# Altium PCB Acquisition-System_V1.0.PcbDoc (part 4 of 5)
Units mil, origin at the board's own origin, x right, y up, seen from the top; angles counter-clockwise.
Board outline 4370.08 x 5629.92 mil, 4 copper layers (Top Layer, Mid-Layer 1, Mid-Layer 2, Bottom Layer), stack 62.135 mil thick; 241 components, 167 nets, 1010 pads, 677 vias.
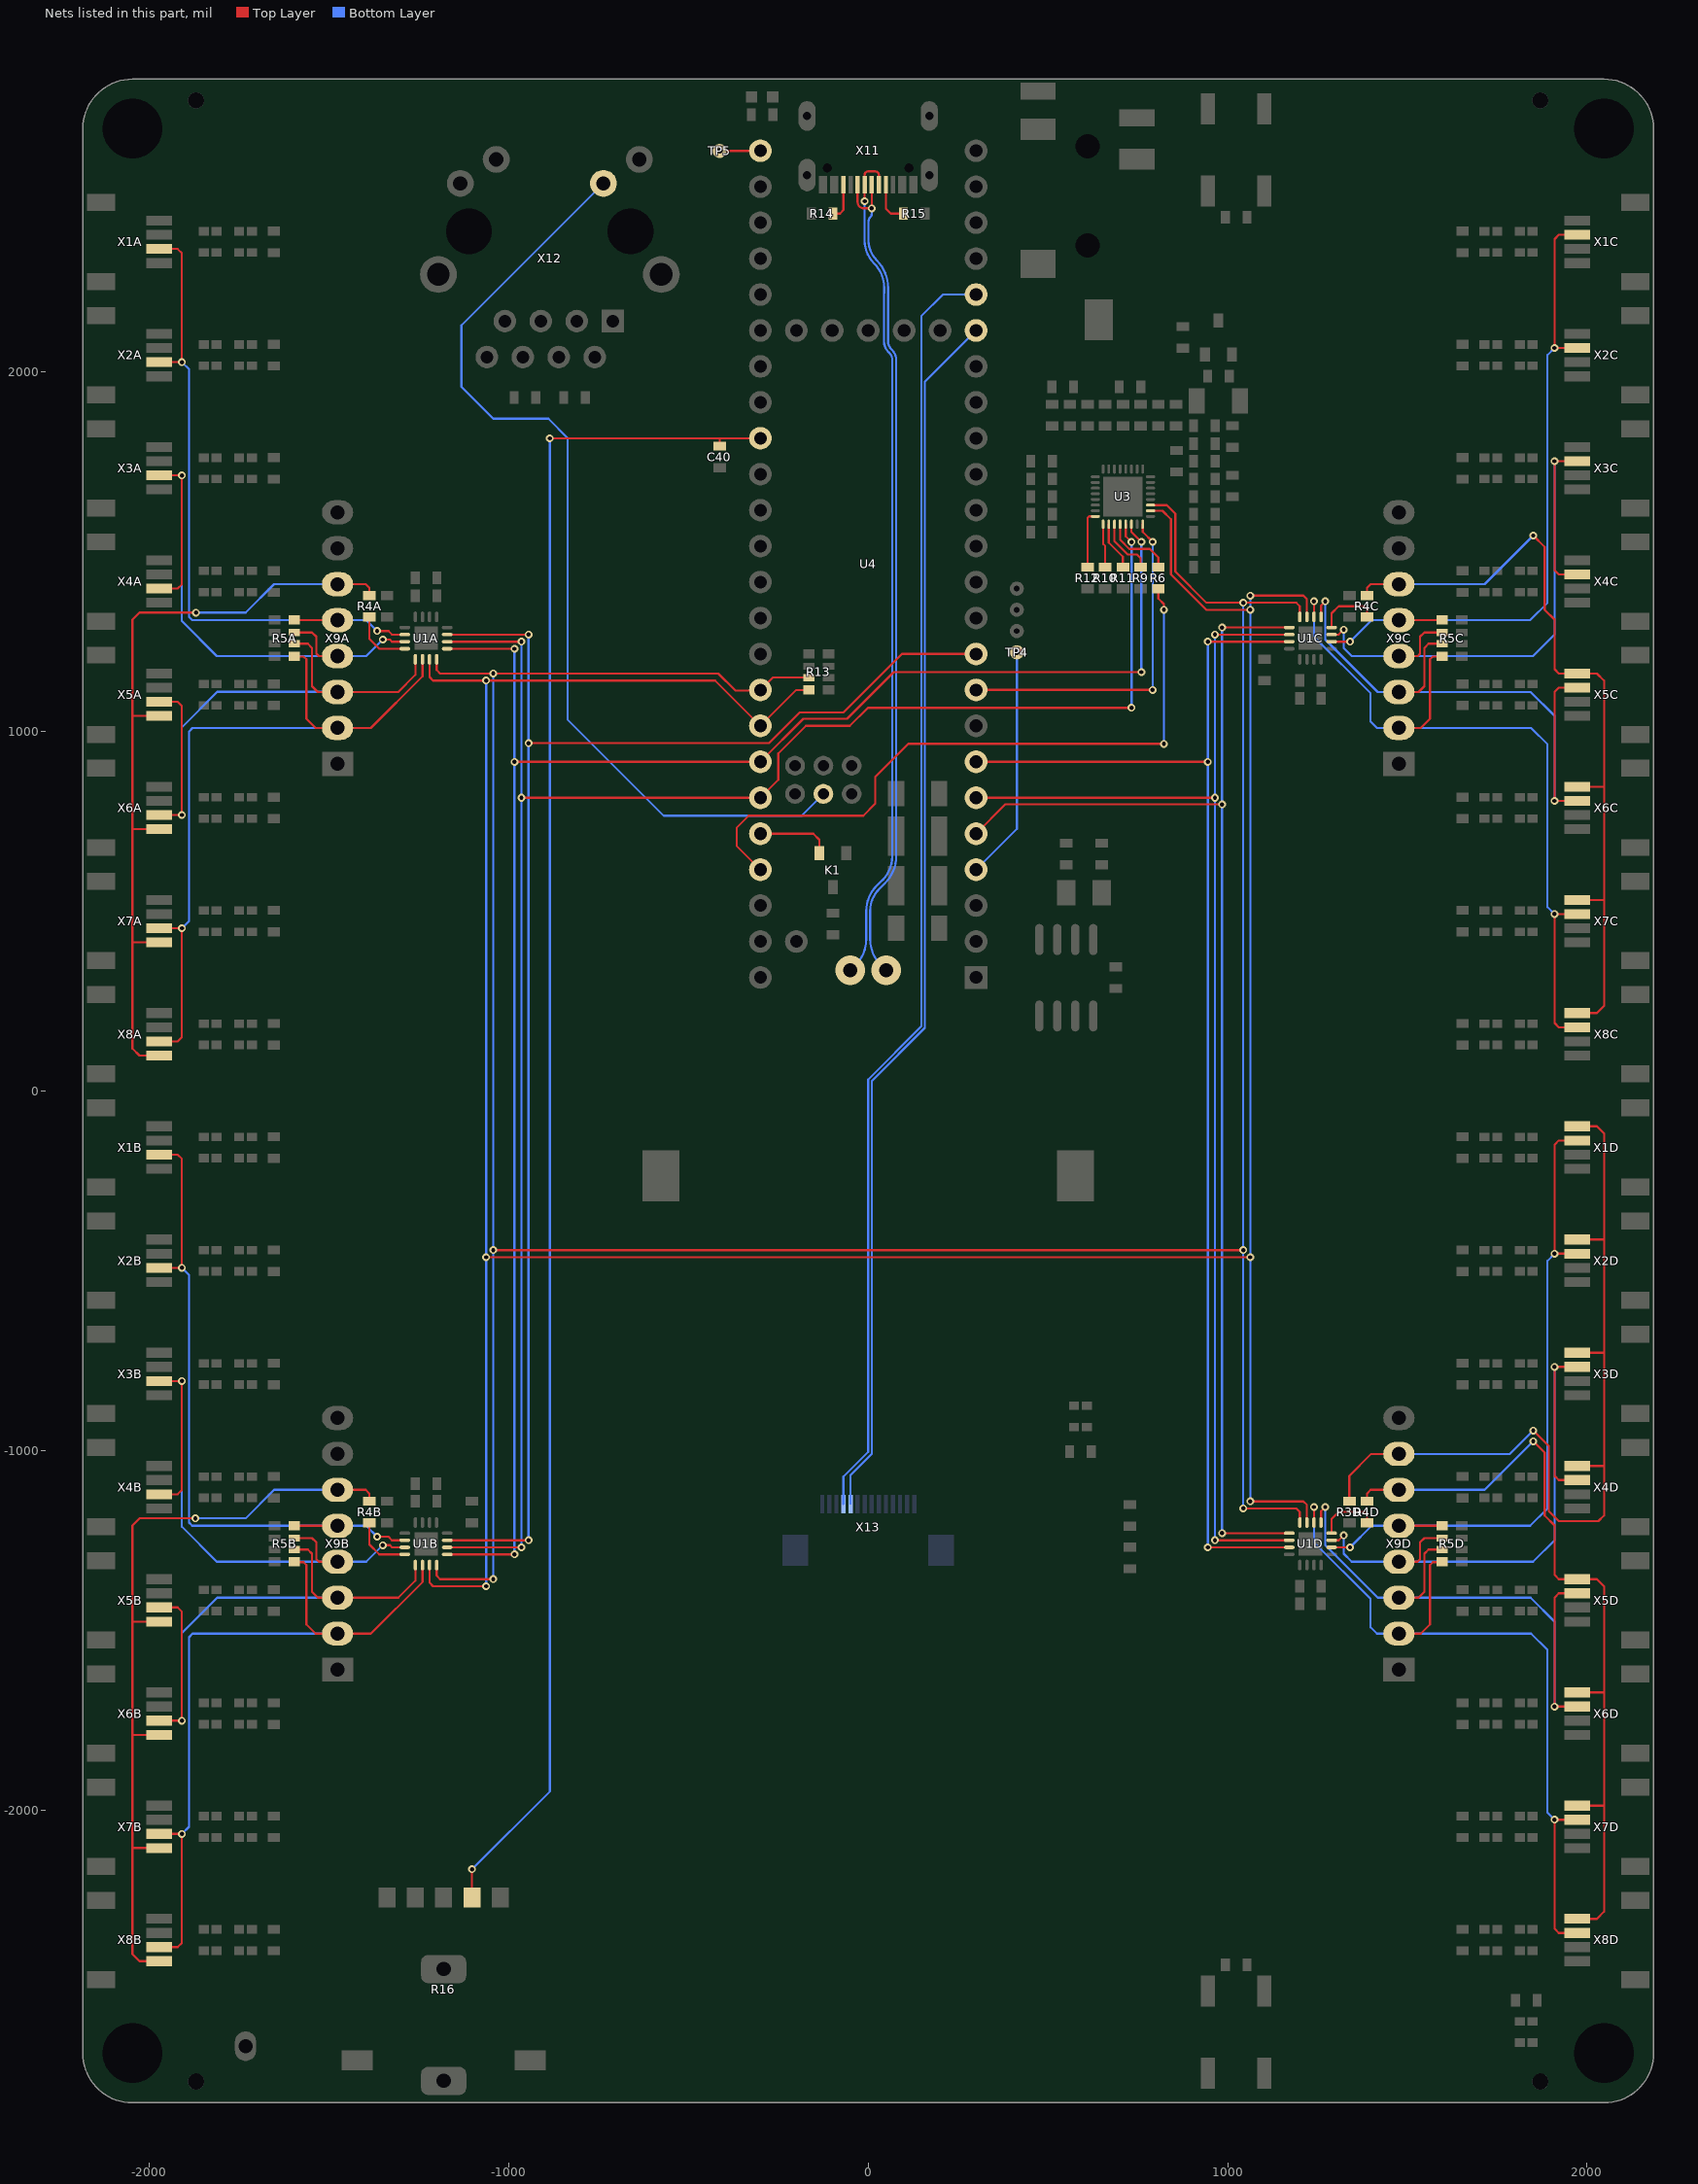
[diagram p6: the nets of this part, all layers, seen from the top]

## Via types
v1: diameter 21.65, hole 11.81, Top Layer to Bottom Layer, tented both sides, 388 vias
v2: diameter 24.41, hole 11.81, Top Layer to Bottom Layer, tented both sides, 289 vias

## Nets (pads, with @x,y where several pads share a name; then routed paths per layer and width w, separated by ;. In a path a pad name is that pad's centre, name@x,y a point inside that pad or via, vN(x,y) a via of type N, cw(c..) or ccw(c..) an arc to the next point about the centre after c; other vN are vias at no path point) (continued)
NetR3D_2: R3D.2 X1D.4 X2D.4 X3D.4 X4D.4 X9D.7 | length 2418.6
  Top Layer w6: R3D.2@1338.58,-1141.26 1338.58,-1070.87 1399.61,-1009.84 X9D.7@1476.38,-1009.84 ; v1(1850.39,-944.88) 1893.7,-988.19 1893.7,-1169.29 1921.26,-1196.85 2031.5,-1196.85 2047.24,-1181.1 2047.24,-1043.31 ; X4D.4@1972.44,-1043.31 2047.24,-1043.31 ; X3D.4@1972.44,-728.35 2047.24,-728.35 ; X2D.4@1972.44,-413.39 2047.24,-413.39 ; X1D.4@1972.44,-98.43 2027.56,-98.43 2047.24,-118.11 2047.24,-413.39 ; 2047.24,-1043.31 2047.24,-728.35 ; 2047.24,-728.35 2047.24,-413.39
  Bottom Layer w6: X9D.7@1476.38,-1009.84 1785.43,-1009.84 v1(1850.39,-944.88)
NetR4A_1: R4A.1 U1A.4 | length 170.4
  Top Layer w6: R4A.1@-1387.8,1318.43 -1387.8,1257.87 -1360.24,1230.31 U1A.4@-1289.37,1230.31
NetR4A_2: R4A.2 X5A.4 X6A.4 X7A.4 X8A.4 X9A.6 | length 2226.1
  Top Layer w6: X8A.4@-1972.44,98.43 -2027.56,98.43 -2047.24,118.11 -2047.24,413.39 ; X7A.4@-1972.44,413.39 -2047.24,413.39 ; X6A.4@-1972.44,728.35 -2047.24,728.35 ; X5A.4@-1972.44,1043.31 -2047.24,1043.31 ; v1(-1870.25,1330.71) -2027.56,1330.71 -2047.24,1311.02 -2047.24,1043.31 ; X9A.6@-1476.38,1409.84 -1398.03,1409.84 -1387.8,1399.61 R4A.2@-1387.8,1378.43 ; -2047.24,413.39 -2047.24,728.35 ; -2047.24,728.35 -2047.24,1043.31
  Bottom Layer w6: v1(-1870.25,1330.71) -1732.28,1330.71 -1653.15,1409.84 X9A.6@-1476.38,1409.84
NetR4B_1: R4B.1 U1B.4 | length 170.4
  Top Layer w6: R4B.1@-1387.8,-1201.26 -1387.8,-1261.81 -1360.24,-1289.37 U1B.4@-1289.37,-1289.37
NetR4B_2: R4B.2 X5B.4 X6B.4 X7B.4 X8B.4 X9B.6 | length 2226.1
  Top Layer w6: X8B.4@-1972.44,-2421.26 -2027.56,-2421.26 -2047.24,-2401.57 -2047.24,-2106.3 ; X7B.4@-1972.44,-2106.3 -2047.24,-2106.3 ; X6B.4@-1972.44,-1791.34 -2047.24,-1791.34 ; X5B.4@-1972.44,-1476.38 -2047.24,-1476.38 ; v1@-1870.08,-1188.98 -2027.56,-1188.98 -2047.24,-1208.66 -2047.24,-1476.38 ; X9B.6@-1476.38,-1109.84 -1398.03,-1109.84 -1387.8,-1120.08 R4B.2@-1387.8,-1141.26 ; -2047.24,-2106.3 -2047.24,-1791.34 ; -2047.24,-1791.34 -2047.24,-1476.38
  Bottom Layer w6: v1@-1870.08,-1188.98 -1732.28,-1188.98 -1653.15,-1109.84 X9B.6@-1476.38,-1109.84
  other v1: -1872.05,-1188.98
NetR4C_1: R4C.1 U1C.4 | length 171.3
  Top Layer w6: U1C.4@1289.37,1289.37 1289.37,1328.74 1309.06,1348.43 1379.92,1348.43 1387.8,1340.55 R4C.1@1387.8,1318.43
NetR4C_2: R4C.2 X5C.4 X6C.4 X7C.4 X8C.4 X9C.6 | length 2229.5
  Top Layer w6: R4C.2@1387.8,1378.43 1387.8,1399.61 1398.03,1409.84 X9C.6@1476.38,1409.84 ; v1(1850.39,1545.28) 1881.89,1513.78 1881.89,1338.58 1909.45,1311.02 1909.45,1173.23 1921.26,1161.42 X5C.4@1972.44,1161.42 2027.56,1161.42 2047.24,1141.73 2047.24,846.46 ; X8C.4@1972.44,216.54 2027.56,216.54 2047.24,236.22 2047.24,531.5 ; X7C.4@1972.44,531.5 2047.24,531.5 ; X6C.4@1972.44,846.46 2047.24,846.46 ; 2047.24,531.5 2047.24,846.46
  Bottom Layer w6: X9C.6@1476.38,1409.84 1714.96,1409.84 v1(1850.39,1545.28)
NetR4D_1: R4D.1 U1D.4 | length 171.3
  Top Layer w6: U1D.4@1289.37,-1230.31 1289.37,-1190.94 1309.06,-1171.26 1379.92,-1171.26 1387.8,-1179.13 R4D.1@1387.8,-1201.26
NetR4D_2: R4D.2 X5D.4 X6D.4 X7D.4 X8D.4 X9D.6 | length 2229.5
  Top Layer w6: R4D.2@1387.8,-1141.26 1387.8,-1120.08 1398.03,-1109.84 X9D.6@1476.38,-1109.84 ; v1(1850.39,-974.41) 1881.89,-1005.91 1881.89,-1181.1 1909.45,-1208.66 1909.45,-1346.46 1921.26,-1358.27 X5D.4@1972.44,-1358.27 2027.56,-1358.27 2047.24,-1377.95 2047.24,-1673.23 ; X8D.4@1972.44,-2303.15 2027.56,-2303.15 2047.24,-2283.46 2047.24,-1988.19 ; X7D.4@1972.44,-1988.19 2047.24,-1988.19 ; X6D.4@1972.44,-1673.23 2047.24,-1673.23 ; 2047.24,-1988.19 2047.24,-1673.23
  Bottom Layer w6: X9D.6@1476.38,-1109.84 1714.96,-1109.84 v1(1850.39,-974.41)
NetR5A_1: R5A.1 U1A.6 X7A.3 X8A.3 X9A.2 | length 2049.6
  Top Layer w6: X8A.3@-1972.44,137.8 -1921.26,137.8 -1909.45,149.61 v1(-1909.45,452.76) X7A.3@-1972.44,452.76 ; R5A.1@-1596.46,1209.65 -1595.47,1208.66 -1570.87,1208.66 -1562.99,1200.79 -1562.99,1035.43 -1537.4,1009.84 X9A.2@-1476.38,1009.84 -1383.86,1009.84 -1240.16,1153.54 U1A.6@-1240.16,1200.79
  Bottom Layer w6: v1(-1909.45,452.76) -1889.76,472.44 -1889.76,1000 -1879.92,1009.84 X9A.2@-1476.38,1009.84
NetR5A_2: R5A.2 U1A.5 X5A.3 X6A.3 X9A.3 | length 1669.7
  Top Layer w6: X6A.3@-1972.44,767.72 v1(-1909.45,767.72) -1909.45,1070.87 -1921.26,1082.68 X5A.3@-1972.44,1082.68 ; R5A.2@-1596.46,1244.09 -1559.05,1244.09 -1547.24,1232.28 -1547.24,1125.98 -1531.1,1109.84 X9A.3@-1476.38,1109.84 -1307.48,1109.84 -1259.84,1157.48 U1A.5@-1259.84,1200.79
  Bottom Layer w6: v1(-1909.45,767.72) -1909.45,1011.81 -1811.02,1110.24 -1476.77,1110.24 X9A.3@-1476.38,1109.84
NetR5A_3: R5A.3 U1A.3 X3A.3 X4A.3 X9A.4 | length 1696.4
  Top Layer w6: X4A.3@-1972.44,1397.64 -1921.26,1397.64 -1909.45,1409.45 v1(-1909.45,1712.6) X3A.3@-1972.44,1712.6 ; R5A.3@-1596.46,1275.59 -1547.24,1275.59 -1535.43,1263.78 -1535.43,1216.54 -1531.48,1212.58 -1528.74,1209.84 X9A.4@-1476.38,1209.84 ; v1(-1350.39,1255.91) -1330.71,1255.91 -1324.8,1250 U1A.3@-1289.37,1250
  Bottom Layer w6: v1(-1909.45,1712.6) -1909.45,1307.09 -1812.2,1209.84 X9A.4@-1476.38,1209.84 -1396.46,1209.84 v1(-1350.39,1255.91)
NetR5A_4: R5A.4 U1A.2 X1A.3 X2A.3 X9A.5 | length 1883.9
  Top Layer w6: X2A.3@-1972.44,2027.56 v1(-1909.45,2027.56) -1909.45,2330.71 -1921.26,2342.52 X1A.3@-1972.44,2342.52 ; R5A.4@-1596.46,1310.04 -1596.26,1309.84 X9A.5@-1476.38,1309.84 ; v1@-1358.27,1279.53 -1334.65,1279.53 -1324.8,1269.69 U1A.2@-1289.37,1269.69
  Bottom Layer w6: v1(-1909.45,2027.56) -1889.76,2007.87 -1889.76,1318.9 -1880.71,1309.84 X9A.5@-1476.38,1309.84 -1396.46,1309.84 v1(-1366.14,1279.53)
NetR5B_1: R5B.1 U1B.6 X7B.3 X8B.3 X9B.2 | length 2049.6
  Top Layer w6: X8B.3@-1972.44,-2381.89 -1921.26,-2381.89 -1909.45,-2370.08 v1(-1909.45,-2066.93) X7B.3@-1972.44,-2066.93 ; R5B.1@-1596.46,-1310.04 -1595.47,-1311.02 -1570.87,-1311.02 -1562.99,-1318.9 -1562.99,-1484.25 -1537.4,-1509.84 X9B.2@-1476.38,-1509.84 -1383.86,-1509.84 -1240.16,-1366.14 U1B.6@-1240.16,-1318.9
  Bottom Layer w6: v1(-1909.45,-2066.93) -1889.76,-2047.24 -1889.76,-1519.68 -1879.92,-1509.84 X9B.2@-1476.38,-1509.84
NetR5B_2: R5B.2 U1B.5 X5B.3 X6B.3 X9B.3 | length 1669.7
  Top Layer w6: X6B.3@-1972.44,-1751.97 v1(-1909.45,-1751.97) -1909.45,-1448.82 -1921.26,-1437.01 X5B.3@-1972.44,-1437.01 ; R5B.2@-1596.46,-1275.59 -1559.05,-1275.59 -1547.24,-1287.4 -1547.24,-1393.7 -1531.1,-1409.84 X9B.3@-1476.38,-1409.84 -1307.48,-1409.84 -1259.84,-1362.2 U1B.5@-1259.84,-1318.9
  Bottom Layer w6: v1(-1909.45,-1751.97) -1909.45,-1507.87 -1811.02,-1409.45 -1476.77,-1409.45 X9B.3@-1476.38,-1409.84
NetR5B_3: R5B.3 U1B.3 X3B.3 X4B.3 X9B.4 | length 1696.4
  Top Layer w6: X4B.3@-1972.44,-1122.05 -1921.26,-1122.05 -1909.45,-1110.24 v1(-1909.45,-807.09) X3B.3@-1972.44,-807.09 ; R5B.3@-1596.46,-1244.09 -1547.24,-1244.09 -1535.43,-1255.91 -1535.43,-1303.15 -1531.48,-1307.11 -1528.74,-1309.84 X9B.4@-1476.38,-1309.84 ; v1(-1350.39,-1263.78) -1330.71,-1263.78 -1324.8,-1269.68 U1B.3@-1289.37,-1269.68
  Bottom Layer w6: v1(-1909.45,-807.09) -1909.45,-1212.6 -1812.2,-1309.84 X9B.4@-1476.38,-1309.84 -1396.46,-1309.84 v1(-1350.39,-1263.78)
NetR5B_4: R5B.4 U1B.2 X1B.3 X2B.3 X9B.5 | length 1883.9
  Top Layer w6: X2B.3@-1972.44,-492.13 v1(-1909.45,-492.13) -1909.45,-188.98 -1921.26,-177.17 X1B.3@-1972.44,-177.17 ; R5B.4@-1596.46,-1209.65 -1596.26,-1209.84 X9B.5@-1476.38,-1209.84 ; v1@-1358.27,-1240.16 -1334.65,-1240.16 -1324.8,-1250 U1B.2@-1289.37,-1250
  Bottom Layer w6: v1(-1909.45,-492.13) -1889.76,-511.81 -1889.76,-1200.79 -1880.71,-1209.84 X9B.5@-1476.38,-1209.84 -1396.46,-1209.84 v1(-1366.14,-1240.16)
NetR5C_1: R5C.1 U1C.6 X7C.3 X8C.3 X9C.2 | length 2174.3
  Top Layer w6: U1C.6@1240.16,1318.9 v1(1240.16,1362.2) ; X9C.2@1476.38,1009.84 1537.4,1009.84 1562.99,1035.43 1562.99,1200.79 1570.87,1208.66 R5C.1@1595.47,1208.66 ; X8C.3@1972.44,177.17 1921.26,177.17 1909.45,188.98 v1(1909.45,492.13) X7C.3@1972.44,492.13
  Bottom Layer w6: v1(1240.16,1362.2) 1240.16,1263.78 1397.64,1106.3 1397.64,1027.56 1415.35,1009.84 X9C.2@1476.38,1009.84 1844.49,1009.84 1889.76,964.57 1889.76,511.81 v1(1909.45,492.13)
NetR5C_2: R5C.2 U1C.5 X5C.3 X6C.3 X9C.3 | length 1788.6
  Top Layer w6: U1C.5@1259.84,1318.9 1259.84,1350.39 v1(1271.65,1362.2) ; X9C.3@1476.38,1109.84 1531.1,1109.84 1547.24,1125.98 1547.24,1232.28 1559.06,1244.09 R5C.2@1596.46,1244.09 ; X6C.3@1972.44,807.09 v1(1909.45,807.09) 1909.45,1110.24 1921.26,1122.05 X5C.3@1972.44,1122.05
  Bottom Layer w6: v1(1271.65,1362.2) 1271.65,1255.91 1417.72,1109.84 X9C.3@1476.38,1109.84 1842.91,1109.84 1909.45,1043.31 v1(1909.45,807.09)
NetR5C_3: R5C.3 U1C.3 X3C.3 X4C.3 X9C.4 | length 1802.3
  Top Layer w6: U1C.3@1289.37,1269.69 1309.06,1269.69 v1(1322.83,1283.46) ; X9C.4@1476.38,1209.84 1528.74,1209.84 1531.48,1212.58 1535.43,1216.54 1535.43,1263.78 1547.24,1275.59 R5C.3@1596.46,1275.59 ; X4C.3@1972.44,1437.01 1921.26,1437.01 1909.45,1448.82 v1(1909.45,1751.97) X3C.3@1972.44,1751.97
  Bottom Layer w6: v1(1322.83,1283.46) 1322.83,1232.28 1345.28,1209.84 X9C.4@1476.38,1209.84 1849.61,1209.84 1909.45,1269.69 v1(1909.45,1751.97)
NetR5C_4: R5C.4 U1C.2 X1C.3 X2C.3 X9C.5 | length 1918.7
  Top Layer w6: U1C.2@1289.37,1250 v1(1340.55,1250) v1@1342.52,1248.03 ; X9C.5@1476.38,1309.84 R5C.4@1596.26,1309.84 ; X2C.3@1972.44,2066.93 v1(1909.45,2066.93) 1909.45,2370.08 1921.26,2381.89 X1C.3@1972.44,2381.89
  Bottom Layer w6: v1(1340.55,1250) 1400.39,1309.84 X9C.5@1476.38,1309.84 1841.34,1309.84 1889.76,1358.27 1889.76,2047.24 v1(1909.45,2066.93)
NetR5D_1: R5D.1 U1D.6 X7D.3 X8D.3 X9D.2 | length 2174.3
  Top Layer w6: U1D.6@1240.16,-1200.79 v1(1240.16,-1157.48) ; X9D.2@1476.38,-1509.84 1537.4,-1509.84 1562.99,-1484.25 1562.99,-1318.9 1570.87,-1311.02 R5D.1@1595.47,-1311.02 ; X8D.3@1972.44,-2342.52 1921.26,-2342.52 1909.45,-2330.71 v1(1909.45,-2027.56) X7D.3@1972.44,-2027.56
  Bottom Layer w6: v1(1240.16,-1157.48) 1240.16,-1255.91 1397.64,-1413.39 1397.64,-1492.13 1415.35,-1509.84 X9D.2@1476.38,-1509.84 1844.49,-1509.84 1889.76,-1555.12 1889.76,-2007.87 v1(1909.45,-2027.56)
NetR5D_2: R5D.2 U1D.5 X5D.3 X6D.3 X9D.3 | length 1788.6
  Top Layer w6: U1D.5@1259.84,-1200.79 1259.84,-1169.29 v1(1271.65,-1157.48) ; X9D.3@1476.38,-1409.84 1531.1,-1409.84 1547.24,-1393.7 1547.24,-1287.4 1559.06,-1275.59 R5D.2@1596.46,-1275.59 ; X6D.3@1972.44,-1712.6 v1(1909.45,-1712.6) 1909.45,-1409.45 1921.26,-1397.64 X5D.3@1972.44,-1397.64
  Bottom Layer w6: v1(1271.65,-1157.48) 1271.65,-1263.78 1417.72,-1409.84 X9D.3@1476.38,-1409.84 1842.91,-1409.84 1909.45,-1476.38 v1(1909.45,-1712.6)
NetR5D_3: R5D.3 U1D.3 X3D.3 X4D.3 X9D.4 | length 1802.3
  Top Layer w6: U1D.3@1289.37,-1250 1309.06,-1250 v1(1322.83,-1236.22) ; X9D.4@1476.38,-1309.84 1528.74,-1309.84 1531.48,-1307.11 1535.43,-1303.15 1535.43,-1255.91 1547.24,-1244.09 R5D.3@1596.46,-1244.09 ; X4D.3@1972.44,-1082.68 1921.26,-1082.68 1909.45,-1070.87 v1(1909.45,-767.72) X3D.3@1972.44,-767.72
  Bottom Layer w6: v1(1322.83,-1236.22) 1322.83,-1287.4 1345.28,-1309.84 X9D.4@1476.38,-1309.84 1849.61,-1309.84 1909.45,-1250 v1(1909.45,-767.72)
NetR5D_4: R5D.4 U1D.2 X1D.3 X2D.3 X9D.5 | length 1918.7
  Top Layer w6: U1D.2@1289.37,-1269.68 v1(1340.55,-1269.68) v1@1342.52,-1271.65 ; X9D.5@1476.38,-1209.84 R5D.4@1596.26,-1209.84 ; X2D.3@1972.44,-452.76 v1(1909.45,-452.76) 1909.45,-149.61 1921.26,-137.8 X1D.3@1972.44,-137.8
  Bottom Layer w6: v1(1340.55,-1269.68) 1400.39,-1209.84 X9D.5@1476.38,-1209.84 1841.34,-1209.84 1889.76,-1161.42 1889.76,-472.44 v1(1909.45,-452.76)
NetR6_2: R6.2 U3.28 | length 197.1
  Top Layer w6: U3.28@700.79,1576.77 700.79,1533.46 726.38,1507.87 783.46,1507.87 807.09,1484.25 R6.2@807.09,1457.17
NetR9_2: R9.2 U3.27 | length 164.8
  Top Layer w6: U3.27@685.04,1576.77 685.04,1529.53 722.44,1492.13 748.03,1492.13 757.87,1482.28 R9.2@757.87,1457.17
NetR10_2: R10.2 U3.25 | length 122.1
  Top Layer w6: U3.25@653.54,1576.77 653.54,1521.65 659.45,1515.75 R10.2@659.45,1457.17
NetR11_2: R11.2 U3.26 | length 135.9
  Top Layer w6: U3.26@669.29,1576.77 669.29,1525.59 708.66,1486.22 R11.2@708.66,1457.17
NetR12_2: R12.2 U3.24 | length 160.6
  Top Layer w6: R12.2@610.24,1457.17 610.24,1594.49 614.17,1598.43 U3.24@631.89,1598.43
NetR14_1: R14.1 X11.B5 | length 104
  Top Layer w6: R14.1@-97.95,2440.94 -78.74,2440.94 -68.9,2450.79 X11.B5@-68.9,2521.65
NetR15_1: R15.1 X11.A5 | length 121.4
  Top Layer w6: X11.A5@49.21,2521.65 49.21,2454.72 62.99,2440.95 R15.1@97.95,2440.95
NetTP4_1: TP4.1 U4.4 | length 651.7
  Bottom Layer w6: U4.4@300,615.75 413.39,729.13 TP4.1@413.39,1220.47
NetTP5_1: TP5.1 U4.25 | length 113.6
  Top Layer w6: TP5.1@-413.39,2615.16 -300.59,2615.16 U4.25@-300,2615.75
NetU4_58: U4.58 X12.10 | length 2715.1
  Bottom Layer w6: X12.10@-736.81,2524.8 -1131.89,2129.72 -1131.89,1958.66 -1043.31,1870.08 -889.76,1870.08 -836.61,1816.93 -836.61,1033.46 -568.9,765.75 -185.43,765.75 U4.58@-124.8,826.38
RGB_LED: K1.S U4.44 | length 212.5
  Top Layer w6: U4.44@-300,715.75 -152.76,715.75 -135.83,698.82 K1.S@-135.83,657.48
SCL_SYS: R13.8 U1A.7 U1B.7 U1C.7 U1D.7 U3.2 U4.41 | length 9481.3
  Top Layer w6: U1B.7@-1220.47,-1318.9 -1220.47,-1368.11 -1210.63,-1377.95 v1(-1062.99,-1377.95) ; U1A.7@-1220.47,1200.79 -1220.47,1151.57 -1210.63,1141.73 v1(-1062.99,1141.73) -425.98,1141.73 U4.41@-300,1015.75 -200.2,1115.55 R13.8@-165.35,1115.55 ; v1(-1062.99,-462.6) v1(1062.99,-462.6) ; U3.2@785.43,1614.17 818.9,1614.17 842.52,1590.55 842.52,1437.01 940.94,1338.58 v1(1062.99,1338.58) ; v1(1062.99,-1141.73) 1210.63,-1141.73 1220.47,-1151.57 U1D.7@1220.47,-1200.79 ; v1(1062.99,1377.95) 1210.63,1377.95 1220.47,1368.11 U1C.7@1220.47,1318.9
  Bottom Layer w6: v1(-1062.99,-1377.95) v1(-1062.99,1141.73) ; v1(1062.99,-1141.73) v1(1062.99,1377.95)
SDA_SYS: R13.7 U1A.8 U1B.8 U1C.8 U1D.8 U3.3 U4.40 | length 9267.6
  Top Layer w6: U1B.8@-1200.79,-1318.9 -1200.79,-1348.43 -1190.94,-1358.27 v1(-1043.31,-1358.27) ; U1A.8@-1200.79,1200.79 -1200.79,1171.26 -1190.94,1161.42 v1(-1043.31,1161.42) -417.32,1161.42 -370.08,1114.17 -301.57,1114.17 U4.40@-300,1115.75 -265.75,1150 R13.7@-165.35,1150 ; v1(-1043.31,-442.91) v1(1043.31,-442.91) ; U3.3@785.43,1629.92 830.71,1629.92 854.33,1606.3 854.33,1444.88 940.94,1358.27 v1(1043.31,1358.27) 1190.94,1358.27 1200.79,1348.43 U1C.8@1200.79,1318.9 ; v1(1043.31,-1161.42) 1190.94,-1161.42 1200.79,-1171.26 U1D.8@1200.79,-1200.79
  Bottom Layer w6: v1(-1043.31,-1358.27) v1(-1043.31,1161.42) ; v1(1043.31,-1161.42) v1(1043.31,1358.27)
TCH_I\N\T\: U4.20 X13.4 | length 3572.1
  Bottom Layer w6: X13.4@-68.9,-1149.61 -68.9,-1072.83 0,-1003.94 0,31.92 147.64,179.55 147.64,2155.51 207.87,2215.75 U4.20@300,2215.75
TCH_R\S\T\: U4.19 X13.5 | length 3410
  Bottom Layer w6: X13.5@-49.21,-1149.61 -49.21,-1068.9 9.84,-1009.84 9.84,-984.25 9.84,27.84 157.48,175.48 157.48,1973.23 U4.19@300,2115.75
TDM1_BCLK: U1A.10 U1B.10 U3.29 U4.43 | length 5294.4
  Top Layer w6: U1B.10@-1171.26,-1269.68 v1(-964.57,-1269.68) ; U1A.10@-1171.26,1250 v1(-964.57,1250) ; v1(-964.57,815.75) U4.43@-300,815.75 -250,865.75 -250,938.98 -173.23,1015.75 -51.18,1015.75 -0.98,1065.94 v1(732.72,1065.94) ; U3.29@716.54,1576.77 716.54,1543.31 v1(732.72,1527.12)
  Bottom Layer w6: v1(-964.57,-1269.68) v1(-964.57,1250) ; v1(732.72,1065.94) v1(732.72,1527.12)
TDM1_FSYNC: U1A.9 U1B.9 U3.30 U4.42 | length 5164
  Top Layer w6: U1B.9@-1171.26,-1289.37 v1(-984.25,-1289.37) ; U1A.9@-1171.26,1230.31 v1(-984.25,1230.31) ; v1(-984.25,915.75) U4.42@-300,915.75 -180.31,1035.43 -59.06,1035.43 70.87,1165.35 v1(759.84,1165.35) ; U3.30@732.28,1576.77 732.28,1555.12 v1(759.84,1527.56)
  Bottom Layer w6: v1(-984.25,-1289.37) v1(-984.25,1230.31) ; v1(759.84,1165.35) v1(759.84,1527.56)
TDM1_MCLK: R6.1 U4.45 | length 1911.5
  Top Layer w6: U4.45@-300,615.75 -366.14,681.89 -366.14,732.28 -332.68,765.75 -13.78,765.75 19.69,799.21 19.69,874.02 111.22,965.55 v1(822.83,965.55) ; R6.1@807.09,1397.17 807.09,1370.08 822.83,1354.33 v1(822.83,1338.58)
  Bottom Layer w6: v1(822.83,965.55) v1(822.83,1338.58)
TDM1_RX: U1A.11 U1B.11 U4.10 | length 4320.1
  Top Layer w6: U1B.11@-1171.26,-1250 v1(-944.88,-1250) ; U1A.11@-1171.26,1269.69 v1(-944.88,1269.69) ; v1(-944.88,967.52) -276.57,967.52 -190.94,1053.15 -68.9,1053.15 93.7,1215.75 U4.10@300,1215.75
  Bottom Layer w6: v1(-944.88,-1250) v1(-944.88,1269.69)
TDM1_TX: U3.32 U4.9 | length 963.8
  Top Layer w6: U4.9@300,1115.75 v1(791.34,1115.75) ; U3.32@763.78,1576.77 763.78,1555.12 v1(791.34,1527.56)
  Bottom Layer w6: v1(791.34,1115.75) v1(791.34,1527.56)
TDM2_BCLK: U1C.10 U1D.10 U4.6 | length 3597.6
  Top Layer w6: U4.6@300,815.75 v1(964.57,815.75) ; v1(964.57,-1250) U1D.10@1171.26,-1250 ; v1(964.57,1269.68) U1C.10@1171.26,1269.69
  Bottom Layer w6: v1(964.57,-1250) v1(964.57,1269.68)
TDM2_FSYNC: U1C.9 U1D.9 U4.5 | length 3611.7
  Top Layer w6: U4.5@300,715.75 381.5,797.24 v1(984.25,797.24) ; v1(984.25,-1230.32) U1D.9@1171.26,-1230.31 ; v1(984.25,1289.37) U1C.9@1171.26,1289.37
  Bottom Layer w6: v1(984.25,-1230.32) v1(984.25,1289.37)
TDM2_RX: U1C.11 U1D.11 U4.7 | length 3617.3
  Top Layer w6: U4.7@300,915.75 v1(944.88,915.75) ; v1(944.88,-1269.69) U1D.11@1171.26,-1269.68 ; v1(944.88,1250) U1C.11@1171.26,1250
  Bottom Layer w6: v1(944.88,-1269.69) v1(944.88,1250)
USB_D_N: U4.62 X11.A7 X11.B7 | length 2346.9
  Top Layer w6: v1(-9.84,2475.39) X11.A7@-9.84,2521.65 -9.84,2548.46 cw(c0,2548.46) 0,2558.31 19.69,2558.31 cw(c19.69,2548.46) 29.53,2548.46 X11.B7@29.53,2521.65
  Bottom Layer w6: U4.62@-50,335.83 -34.79,351.04 ccw(c-105.5,421.75) -5.5,421.75 -5.5,500.23 cw(c94.26,500.23) 23.72,570.77 39.47,586.52 ccw(c-26.84,652.82) 66.93,652.82 66.93,2032.75 ccw(c36.69,2032.75) 58.07,2054.13 56.27,2055.93 cw(c85.61,2085.27) 44.12,2085.27 44.12,2220.3 44.29,2220.47 44.29,2234.57 ccw(c-52.83,2234.57) 15.84,2303.25 cw(c78.27,2365.68) -10.02,2365.68 -10.02,2475.22 v1(-9.84,2475.39)
USB_D_P: U4.61 X11.A6 X11.B6 | length 2343.1
  Top Layer w6: X11.B6@-29.53,2521.65 -29.53,2472.44 ccw(c-12.8,2472.44) -12.8,2455.71 v1(9.84,2455.71) X11.A6@9.84,2521.65
  Bottom Layer w6: v1(9.84,2455.71) 9.84,2440.61 cw(c-3.6,2440.61) 5.91,2431.1 ccw(c17.79,2419.22) 0.98,2419.22 0.98,2365.68 ccw(c78.27,2365.68) 23.62,2311.02 cw(c-52.83,2234.57) 55.29,2234.57 55.29,2214.63 55.12,2214.46 55.12,2085.27 ccw(c85.61,2085.27) 64.05,2063.71 65.85,2061.91 cw(c36.69,2032.75) 77.93,2032.75 77.93,652.82 cw(c-26.84,652.82) 47.24,578.74 31.5,562.99 ccw(c94.26,500.23) 5.5,500.23 5.5,421.75 ccw(c105.5,421.75) 34.79,351.04 U4.61@50,335.83
VOL_POT: C40.2 R16.M U4.33 | length 4757.3
  Top Layer w6: R16.M@-1102.36,-2244.09 v1(-1102.36,-2165.35) ; v1(-885.83,1815.75) -413.39,1815.75 ; C40.2@-413.39,1793.78 -413.39,1815.75 ; U4.33@-300,1815.75 -413.39,1815.75
  Bottom Layer w6: v1(-1102.36,-2165.35) -885.83,-1948.82 v1(-885.83,1815.75)
pads on no net: M1.1 M2.1 M3.1 M4.1 R16.NC U3.1 U3.16 U3.18 U3.31 U4.2 U4.3 U4.8 U4.11 U4.21 U4.24 U4.26 U4.27 U4.28 U4.29 U4.30 U4.31 U4.32 U4.36 U4.37 U4.49 U4.50 U4.53 U4.54 U5.7 X1A.NC X1B.NC X1C.NC X1D.NC X2A.NC X2B.NC X2C.NC X2D.NC X3A.NC X3B.NC X3C.NC X3D.NC X4A.NC X4B.NC X4C.NC X4D.NC X5A.NC X5B.NC X5C.NC X5D.NC X6A.NC X6B.NC X6C.NC X6D.NC X7A.NC X7B.NC X7C.NC X7D.NC X8A.NC X8B.NC X8C.NC X8D.NC X10.3 X10.4 X10.NC X11.A8 X11.B8 X11.NC X12.7 X12.11 X12.12 X12.NC X13.1 X13.NC
